# Altium PCB WX0.000.863拼板.PcbDoc (part 7 of 15)
Units mm, origin at the board's own origin, x right, y up, seen from the top; angles counter-clockwise.
Board outline 150.37 x 286.89 mm, 2 copper layers (Top Layer, Bottom Layer); 840 components, 0 nets, 2516 pads, 1604 vias.
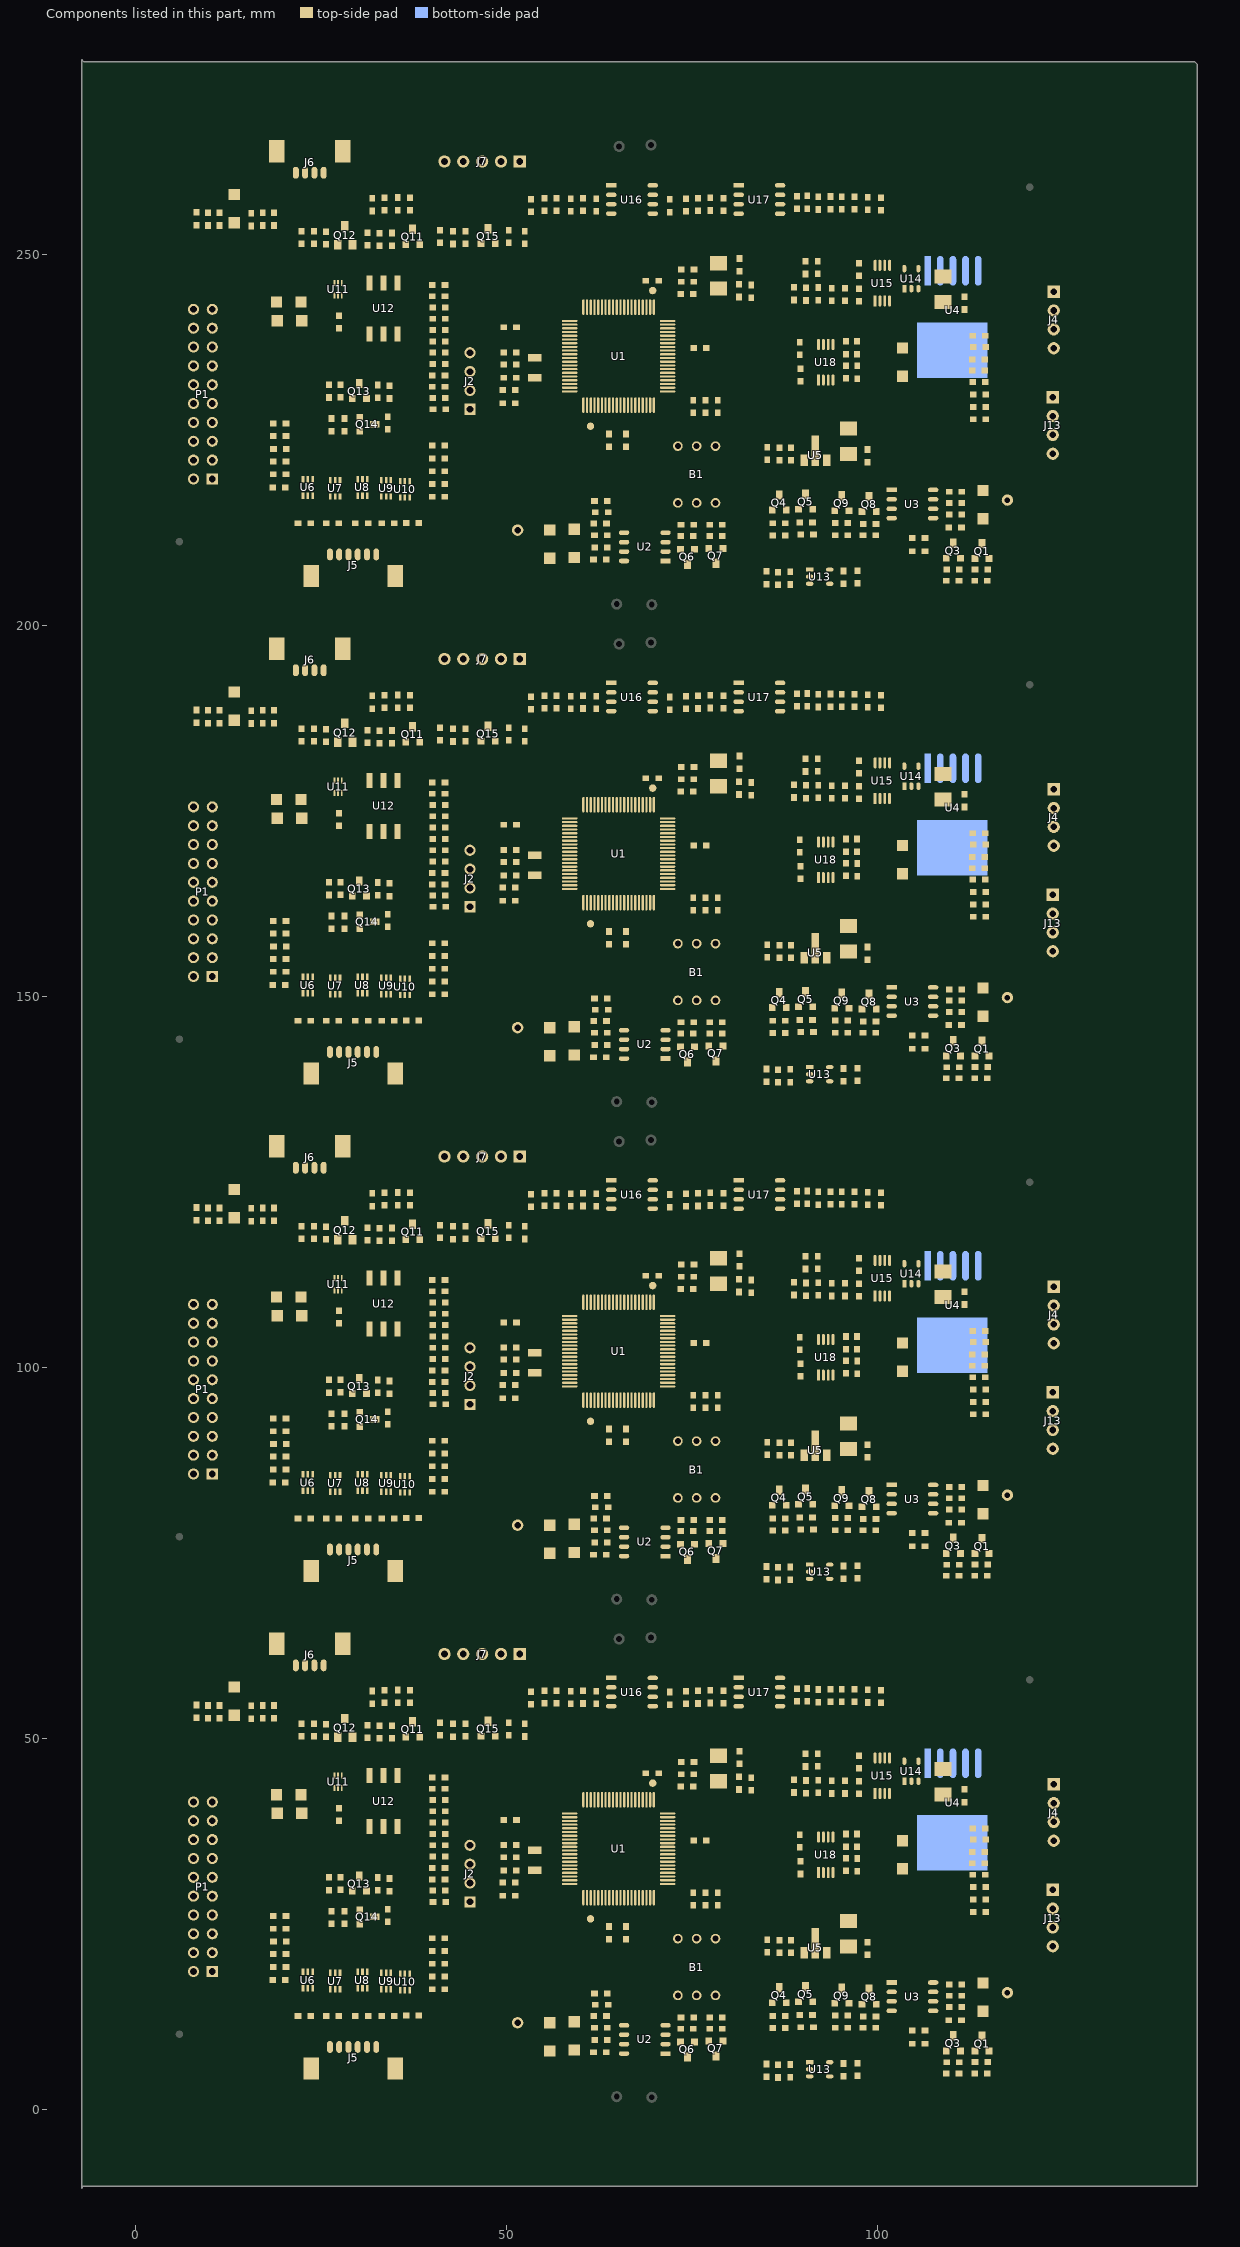
[diagram p7: the components of this part, seen from the top]

## Via types
v1: diameter 0.635, hole 0.381, Top Layer to Bottom Layer, tented both sides, 1604 vias

## Nets (pads, with @x,y where several pads share a name; then routed paths per layer and width w, separated by ;. In a path a pad name is that pad's centre, name@x,y a point inside that pad or via, vN(x,y) a via of type N, cw(c..) or ccw(c..) an arc to the next point about the centre after c; other vN are vias at no path point) (continued)
copper on no net: (continued)
  Top Layer w0.203: 100.279,108.98 cw(c100.12,108.821) 100.345,108.821 cw(c100.57,108.821) 100.411,108.98 ; 100.279,110.222 ccw(c100.12,110.381) 100.345,110.381 ccw(c100.57,110.381) 100.411,110.222 ; 100.279,176.036 cw(c100.12,175.877) 100.345,175.877 cw(c100.57,175.877) 100.411,176.036 ; 100.279,177.278 ccw(c100.12,177.437) 100.345,177.437 ccw(c100.57,177.437) 100.411,177.278 ; 100.279,243.092 cw(c100.12,242.933) 100.345,242.933 cw(c100.57,242.933) 100.411,243.092 ; 100.279,244.334 ccw(c100.12,244.493) 100.345,244.493 ccw(c100.57,244.493) 100.411,244.334 ; 100.395,42.595 100.345,42.545 ; 100.395,109.651 100.345,109.601 ; 100.395,176.707 100.345,176.657 ; 100.395,243.763 100.345,243.713 ; v1@100.812,43.916 cw(c100.505,43.609) 100.94,43.609 ; v1@100.812,110.972 cw(c100.505,110.665) 100.94,110.665 ; v1@100.812,178.028 cw(c100.505,177.721) 100.94,177.721 ; v1@100.812,245.084 cw(c100.505,244.777) 100.94,244.777 ; 100.929,41.924 cw(c100.77,41.765) 100.995,41.765 cw(c101.22,41.765) 101.061,41.924 ; 100.929,47.966 ccw(c100.77,48.125) 100.995,48.125 ccw(c101.22,48.125) 101.061,47.966 ; 100.929,108.98 cw(c100.77,108.821) 100.995,108.821 cw(c101.22,108.821) 101.061,108.98 ; 100.929,115.022 ccw(c100.77,115.181) 100.995,115.181 ccw(c101.22,115.181) 101.061,115.022 ; 100.929,176.036 cw(c100.77,175.877) 100.995,175.877 cw(c101.22,175.877) 101.061,176.036 ; 100.929,182.078 ccw(c100.77,182.237) 100.995,182.237 ccw(c101.22,182.237) 101.061,182.078 ; 100.929,243.092 cw(c100.77,242.933) 100.995,242.933 cw(c101.22,242.933) 101.061,243.092 ; 100.929,249.134 ccw(c100.77,249.293) 100.995,249.293 ccw(c101.22,249.293) 101.061,249.134 ; 100.94,43.459 ccw(c101.354,43.459) 101.061,43.166 ; 100.94,43.486 cw(c101.548,43.486) v1@101.118,43.916 ; 100.94,110.515 ccw(c101.354,110.515) 101.061,110.222 ; 100.94,110.542 cw(c101.548,110.542) v1@101.118,110.972 ; 100.94,177.571 ccw(c101.354,177.571) 101.061,177.278 ; 100.94,177.598 cw(c101.548,177.598) v1@101.118,178.028 ; 100.94,244.627 ccw(c101.354,244.627) 101.061,244.334 ; 100.94,244.654 cw(c101.548,244.654) v1@101.118,245.084 ; v1(100.965,44.069) 100.965,44.094 100.94,44.12 100.94,42.6 100.995,42.545 100.995,41.377 100.457,40.838 95.631,40.838 ; v1(100.965,111.125) 100.965,111.15 100.94,111.176 100.94,109.656 100.995,109.601 100.995,108.433 100.457,107.894 95.631,107.894 ; v1(100.965,178.181) 100.965,178.206 100.94,178.232 100.94,176.712 100.995,176.657 100.995,175.489 100.457,174.95 95.631,174.95 ; v1(100.965,245.237) 100.965,245.262 100.94,245.288 100.94,243.768 100.995,243.713 100.995,242.545 100.457,242.006 95.631,242.006 ; 100.995,47.345 100.995,48.59 ; 100.995,114.401 100.995,115.646 ; 100.995,181.457 100.995,182.702 ; 100.995,248.513 100.995,249.758 ; 101.579,47.966 ccw(c101.42,48.125) 101.645,48.125 ccw(c101.87,48.125) 101.711,47.966 ; 101.579,115.022 ccw(c101.42,115.181) 101.645,115.181 ccw(c101.87,115.181) 101.711,115.022 ; 101.579,182.078 ccw(c101.42,182.237) 101.645,182.237 ccw(c101.87,182.237) 101.711,182.078 ; 101.579,249.134 ccw(c101.42,249.293) 101.645,249.293 ccw(c101.87,249.293) 101.711,249.134 ; 101.645,47.345 101.645,48.393 101.448,48.59 100.995,48.59 ; 101.645,114.401 101.645,115.449 101.448,115.646 100.995,115.646 ; 101.645,181.457 101.645,182.505 101.448,182.702 100.995,182.702 ; 101.645,248.513 101.645,249.561 101.448,249.758 100.995,249.758 ; 111.34,11.989 v1@112.674,11.989 ; 111.34,79.045 v1@112.674,79.045 ; 111.34,146.101 v1@112.674,146.101 ; 111.34,213.157 v1@112.674,213.157 ; 111.598,11.782 cw(c112.096,11.284) 112.096,11.989 cw(c112.096,12.694) 111.598,12.195 ; 111.598,78.838 cw(c112.096,78.34) 112.096,79.045 cw(c112.096,79.75) 111.598,79.251 ; 111.598,145.894 cw(c112.096,145.396) 112.096,146.101 cw(c112.096,146.806) 111.598,146.307 ; 111.598,212.95 cw(c112.096,212.452) 112.096,213.157 cw(c112.096,213.862) 111.598,213.363 ; 112.005,34.18 cw(c110.973,33.147) 112.433,33.147 ; 112.005,101.236 cw(c110.973,100.203) 112.433,100.203 ; 112.005,168.292 cw(c110.973,167.259) 112.433,167.259 ; 112.005,235.348 cw(c110.973,234.315) 112.433,234.315 ; 112.009,11.989 ccw(c112.009,12.857) v1@112.623,12.243 ; 112.009,79.045 ccw(c112.009,79.913) v1@112.623,79.299 ; 112.009,146.101 ccw(c112.009,146.969) v1@112.623,146.355 ; 112.009,213.157 ccw(c112.009,214.025) v1@112.623,213.411 ; 112.352,33.833 cw(c111.667,33.147) 112.636,33.147 ; 112.352,100.889 cw(c111.667,100.203) 112.636,100.203 ; 112.352,167.945 cw(c111.667,167.259) 112.636,167.259 ; 112.352,235.001 cw(c111.667,234.315) 112.636,234.315 ; 112.646,36.115 ccw(c112.147,35.617) 112.147,36.322 ccw(c112.147,37.027) 112.646,36.529 ; 112.646,103.171 ccw(c112.147,102.673) 112.147,103.378 ccw(c112.147,104.083) 112.646,103.585 ; 112.646,170.227 ccw(c112.147,169.729) 112.147,170.434 ccw(c112.147,171.139) 112.646,170.641 ; 112.646,237.283 ccw(c112.147,236.785) 112.147,237.49 ccw(c112.147,238.195) 112.646,237.697 ; 112.776,34.671 112.776,35.027 111.882,35.921 109.994,35.921 109.352,36.562 109.352,39.686 109.003,40.035 84.411,40.035 83.976,40.47 76.258,40.47 75.476,41.252 73.285,41.252 71.902,42.635 71.902,45.937 71.205,46.634 59.69,46.634 55.639,46.634 55.065,46.06 ; 112.776,101.727 112.776,102.083 111.882,102.977 109.994,102.977 109.352,103.618 109.352,106.742 109.003,107.091 84.411,107.091 83.976,107.526 76.258,107.526 75.476,108.308 73.285,108.308 71.902,109.691 71.902,112.993 71.205,113.69 59.69,113.69 55.639,113.69 55.065,113.116 ; 112.776,168.783 112.776,169.139 111.882,170.033 109.994,170.033 109.352,170.674 109.352,173.798 109.003,174.147 84.411,174.147 83.976,174.582 76.258,174.582 75.476,175.364 73.285,175.364 71.902,176.747 71.902,180.049 71.205,180.746 59.69,180.746 55.639,180.746 55.065,180.172 ; 112.776,235.839 112.776,236.195 111.882,237.089 109.994,237.089 109.352,237.73 109.352,240.854 109.003,241.203 84.411,241.203 83.976,241.638 76.258,241.638 75.476,242.42 73.285,242.42 71.902,243.803 71.902,247.105 71.205,247.802 59.69,247.802 55.639,247.802 55.065,247.228 ; 114.398,36.529 ccw(c113.9,37.027) 114.605,37.027 ccw(c115.31,37.027) 114.811,36.529 ; 114.398,37.639 cw(c113.9,37.141) 114.605,37.141 cw(c115.31,37.141) 114.811,37.639 ; 114.398,103.585 ccw(c113.9,104.083) 114.605,104.083 ccw(c115.31,104.083) 114.811,103.585 ; 114.398,104.695 cw(c113.9,104.197) 114.605,104.197 cw(c115.31,104.197) 114.811,104.695 ; 114.398,170.641 ccw(c113.9,171.139) 114.605,171.139 ccw(c115.31,171.139) 114.811,170.641 ; 114.398,171.751 cw(c113.9,171.253) 114.605,171.253 cw(c115.31,171.253) 114.811,171.751 ; 114.398,237.697 ccw(c113.9,238.195) 114.605,238.195 ccw(c115.31,238.195) 114.811,237.697 ; 114.398,238.807 cw(c113.9,238.309) 114.605,238.309 cw(c115.31,238.309) 114.811,238.807 ; 114.478,34.671 120.777,34.671 121.92,35.814 121.92,37.846 122.649,38.575 122.649,40.124 ; 114.478,101.727 120.777,101.727 121.92,102.87 121.92,104.902 122.649,105.631 122.649,107.18 ; 114.478,168.783 120.777,168.783 121.92,169.926 121.92,171.958 122.649,172.687 122.649,174.236 ; 114.478,235.839 120.777,235.839 121.92,236.982 121.92,239.014 122.649,239.743 122.649,241.292 ; 114.554,37.846 114.605,37.795 114.605,36.322 114.605,36.043 115.57,35.077 120.579,35.077 121.519,36.017 121.519,38.511 122.047,39.04 122.047,42.062 123.774,43.79 ; 114.554,104.902 114.605,104.851 114.605,103.378 114.605,103.099 115.57,102.133 120.579,102.133 121.519,103.073 121.519,105.567 122.047,106.096 122.047,109.118 123.774,110.846 ; 114.554,171.958 114.605,171.907 114.605,170.434 114.605,170.155 115.57,169.189 120.579,169.189 121.519,170.129 121.519,172.623 122.047,173.152 122.047,176.174 123.774,177.902 ; 114.554,239.014 114.605,238.963 114.605,237.49 114.605,237.211 115.57,236.245 120.579,236.245 121.519,237.185 121.519,239.679 122.047,240.208 122.047,243.23 123.774,244.958 ; 114.605,26.606 114.617,26.594 ; 114.605,93.662 114.617,93.65 ; 114.605,160.718 114.617,160.706 ; 114.605,227.774 114.617,227.762 ; 114.735,34.464 cw(c115.234,33.966) 115.234,34.671 cw(c115.234,35.376) 114.735,34.878 ; 114.735,101.52 cw(c115.234,101.022) 115.234,101.727 cw(c115.234,102.432) 114.735,101.934 ; 114.735,168.576 cw(c115.234,168.078) 115.234,168.783 cw(c115.234,169.488) 114.735,168.99 ; 114.735,235.632 cw(c115.234,235.134) 115.234,235.839 cw(c115.234,236.544) 114.735,236.046 ; 114.745,36.322 ccw(c115.756,36.322) 115.041,35.607 ; 114.745,103.378 ccw(c115.756,103.378) 115.041,102.663 ; 114.745,170.434 ccw(c115.756,170.434) 115.041,169.719 ; 114.745,237.49 ccw(c115.756,237.49) 115.041,236.775 ; 114.948,36.322 ccw(c116.45,36.322) 115.388,35.26 ; 114.948,103.378 ccw(c116.45,103.378) 115.388,102.316 ; 114.948,170.434 ccw(c116.45,170.434) 115.388,169.372 ; 114.948,237.49 ccw(c116.45,237.49) 115.388,236.428 ; v1@115.875,4.572 v1(115.951,4.496) ; v1@115.875,71.628 v1(115.951,71.552) ; v1@115.875,138.684 v1(115.951,138.608) ; v1@115.875,205.74 v1(115.951,205.664) ; v1@118.3,4.191 cw(c118.775,4.191) 118.44,4.527 ; v1@118.3,71.247 cw(c118.775,71.247) 118.44,71.583 ; v1@118.3,138.303 cw(c118.775,138.303) 118.44,138.639 ; v1@118.3,205.359 cw(c118.775,205.359) 118.44,205.695 ; v1@118.504,4.191 cw(c119.469,4.191) 118.786,4.874 ; v1@118.504,71.247 cw(c119.469,71.247) 118.786,71.93 ; v1@118.504,138.303 cw(c119.469,138.303) 118.786,138.986 ; v1@118.504,205.359 cw(c119.469,205.359) 118.786,206.042 ; 123.05,43.79 cw(c121.303,43.79) 122.538,42.554 cw(c123.774,41.318) 123.774,43.066 ; 123.05,110.846 cw(c121.303,110.846) 122.538,109.61 cw(c123.774,108.374) 123.774,110.122 ; 123.05,177.902 cw(c121.303,177.902) 122.538,176.666 cw(c123.774,175.43) 123.774,177.178 ; 123.05,244.958 cw(c121.303,244.958) 122.538,243.722 cw(c123.774,242.486) 123.774,244.234 ; 123.052,41.2 cw(c121.668,41.105) 122.649,40.124 ; 123.052,108.256 cw(c121.668,108.161) 122.649,107.18 ; 123.052,175.312 cw(c121.668,175.217) 122.649,174.236 ; 123.052,242.368 cw(c121.668,242.273) 122.649,241.292 ; 123.253,43.79 cw(c121.996,43.79) 122.885,42.901 cw(c123.774,42.012) 123.774,43.269 ; 123.253,110.846 cw(c121.996,110.846) 122.885,109.957 cw(c123.774,109.068) 123.774,110.325 ; 123.253,177.902 cw(c121.996,177.902) 122.885,177.013 cw(c123.774,176.124) 123.774,177.381 ; 123.253,244.958 cw(c121.996,244.958) 122.885,244.069 cw(c123.774,243.18) 123.774,244.437 ; 123.255,41.214 cw(c122.259,41.146) 122.965,40.44 cw(c123.67,39.735) 123.739,40.73 ; 123.255,108.27 cw(c122.259,108.202) 122.965,107.496 cw(c123.67,106.791) 123.739,107.786 ; 123.255,175.326 cw(c122.259,175.258) 122.965,174.552 cw(c123.67,173.847) 123.739,174.842 ; 123.255,242.382 cw(c122.259,242.314) 122.965,241.608 cw(c123.67,240.903) 123.739,241.898 ; 123.725,40.527 ccw(c123.63,39.144) 122.649,40.124 ; 123.725,107.583 ccw(c123.63,106.2) 122.649,107.18 ; 123.725,174.639 ccw(c123.63,173.256) 122.649,174.236 ; 123.725,241.695 ccw(c123.63,240.312) 122.649,241.292 ; 123.774,41.25 122.649,40.124 ; 123.774,108.306 122.649,107.18 ; 123.774,175.362 122.649,174.236 ; 123.774,242.418 122.649,241.292 ; 8.879,33.789 9.928,32.739 13.875,32.739 17.311,36.175 28.691,36.175 28.838,36.322 38.176,36.322 ; 8.879,100.845 9.928,99.795 13.875,99.795 17.311,103.231 28.691,103.231 28.838,103.378 38.176,103.378 ; 8.879,167.901 9.928,166.851 13.875,166.851 17.311,170.287 28.691,170.287 28.838,170.434 38.176,170.434 ; 8.879,234.957 9.928,233.907 13.875,233.907 17.311,237.343 28.691,237.343 28.838,237.49 38.176,237.49 ; 17.043,23.063 v1(17.475,23.063) ; 17.043,90.119 v1(17.475,90.119) ; 17.043,157.175 v1(17.475,157.175) ; 17.043,224.231 v1(17.475,224.231) ; 17.17,52.705 17.17,50.775 17.983,49.962 17.983,47.193 ; 17.17,119.761 17.17,117.831 17.983,117.018 17.983,114.249 ; 17.17,186.817 17.17,184.887 17.983,184.074 17.983,181.305 ; 17.17,253.873 17.17,251.943 17.983,251.13 17.983,248.361 ; 17.983,43.434 19.025,42.393 ; 17.983,43.434 17.983,47.193 ; 17.983,110.49 19.025,109.449 ; 17.983,110.49 17.983,114.249 ; 17.983,177.546 19.025,176.505 ; 17.983,177.546 17.983,181.305 ; 17.983,244.602 19.025,243.561 ; 17.983,244.602 17.983,248.361 ; 19.025,42.393 19.685,42.393 20.401,43.109 ; 19.025,109.449 19.685,109.449 20.401,110.165 ; 19.025,176.505 19.685,176.505 20.401,177.221 ; 19.025,243.561 19.685,243.561 20.401,244.277 ; v1@23.774,9.728 25.679,9.728 ; v1@23.774,76.784 25.679,76.784 ; v1@23.774,143.84 25.679,143.84 ; v1@23.774,210.896 25.679,210.896 ; 25.679,9.728 26.212,9.196 ; 25.679,76.784 26.212,76.252 ; 25.679,143.84 26.212,143.308 ; 25.679,210.896 26.212,210.364 ; 26.924,17.476 33.782,17.476 ; 26.924,84.532 33.782,84.532 ; 26.924,151.588 33.782,151.588 ; 26.924,218.644 33.782,218.644 ; 34.519,26.949 35.052,26.416 35.052,25.63 37.287,23.394 ; 34.519,94.005 35.052,93.472 35.052,92.686 37.287,90.45 ; 34.519,161.061 35.052,160.528 35.052,159.742 37.287,157.506 ; 34.519,228.117 35.052,227.584 35.052,226.798 37.287,224.562 ; 43.52,22.743 46.863,22.743 ; 43.52,89.799 46.863,89.799 ; 43.52,156.855 46.863,156.855 ; 43.52,223.911 46.863,223.911 ; 46.863,22.743 61.551,22.743 62.8,21.493 65.308,21.493 66.116,22.301 ; 46.863,89.799 61.551,89.799 62.8,88.549 65.308,88.549 66.116,89.357 ; 46.863,156.855 61.551,156.855 62.8,155.605 65.308,155.605 66.116,156.413 ; 46.863,223.911 61.551,223.911 62.8,222.661 65.308,222.661 66.116,223.469 ; 55.25,5.507 75.489,5.507 ; 55.25,72.563 75.489,72.563 ; 55.25,139.619 75.489,139.619 ; 55.25,206.675 75.489,206.675 ; 64.897,55.575 65.354,56.032 ; 64.897,122.631 65.354,123.088 ; 64.897,189.687 65.354,190.144 ; 64.897,256.743 65.354,257.2 ; 95.631,40.838 95.631,41.681 ; 95.631,107.894 95.631,108.737 ; 95.631,174.95 95.631,175.793 ; 95.631,242.006 95.631,242.849 ; 97.561,41.239 99.974,41.239 100.345,41.61 100.345,42.545 ; 97.561,108.295 99.974,108.295 100.345,108.666 100.345,109.601 ; 97.561,175.351 99.974,175.351 100.345,175.722 100.345,176.657 ; 97.561,242.407 99.974,242.407 100.345,242.778 100.345,243.713